# KiCad board beaglebone-ai.kicad_pcb (continued)
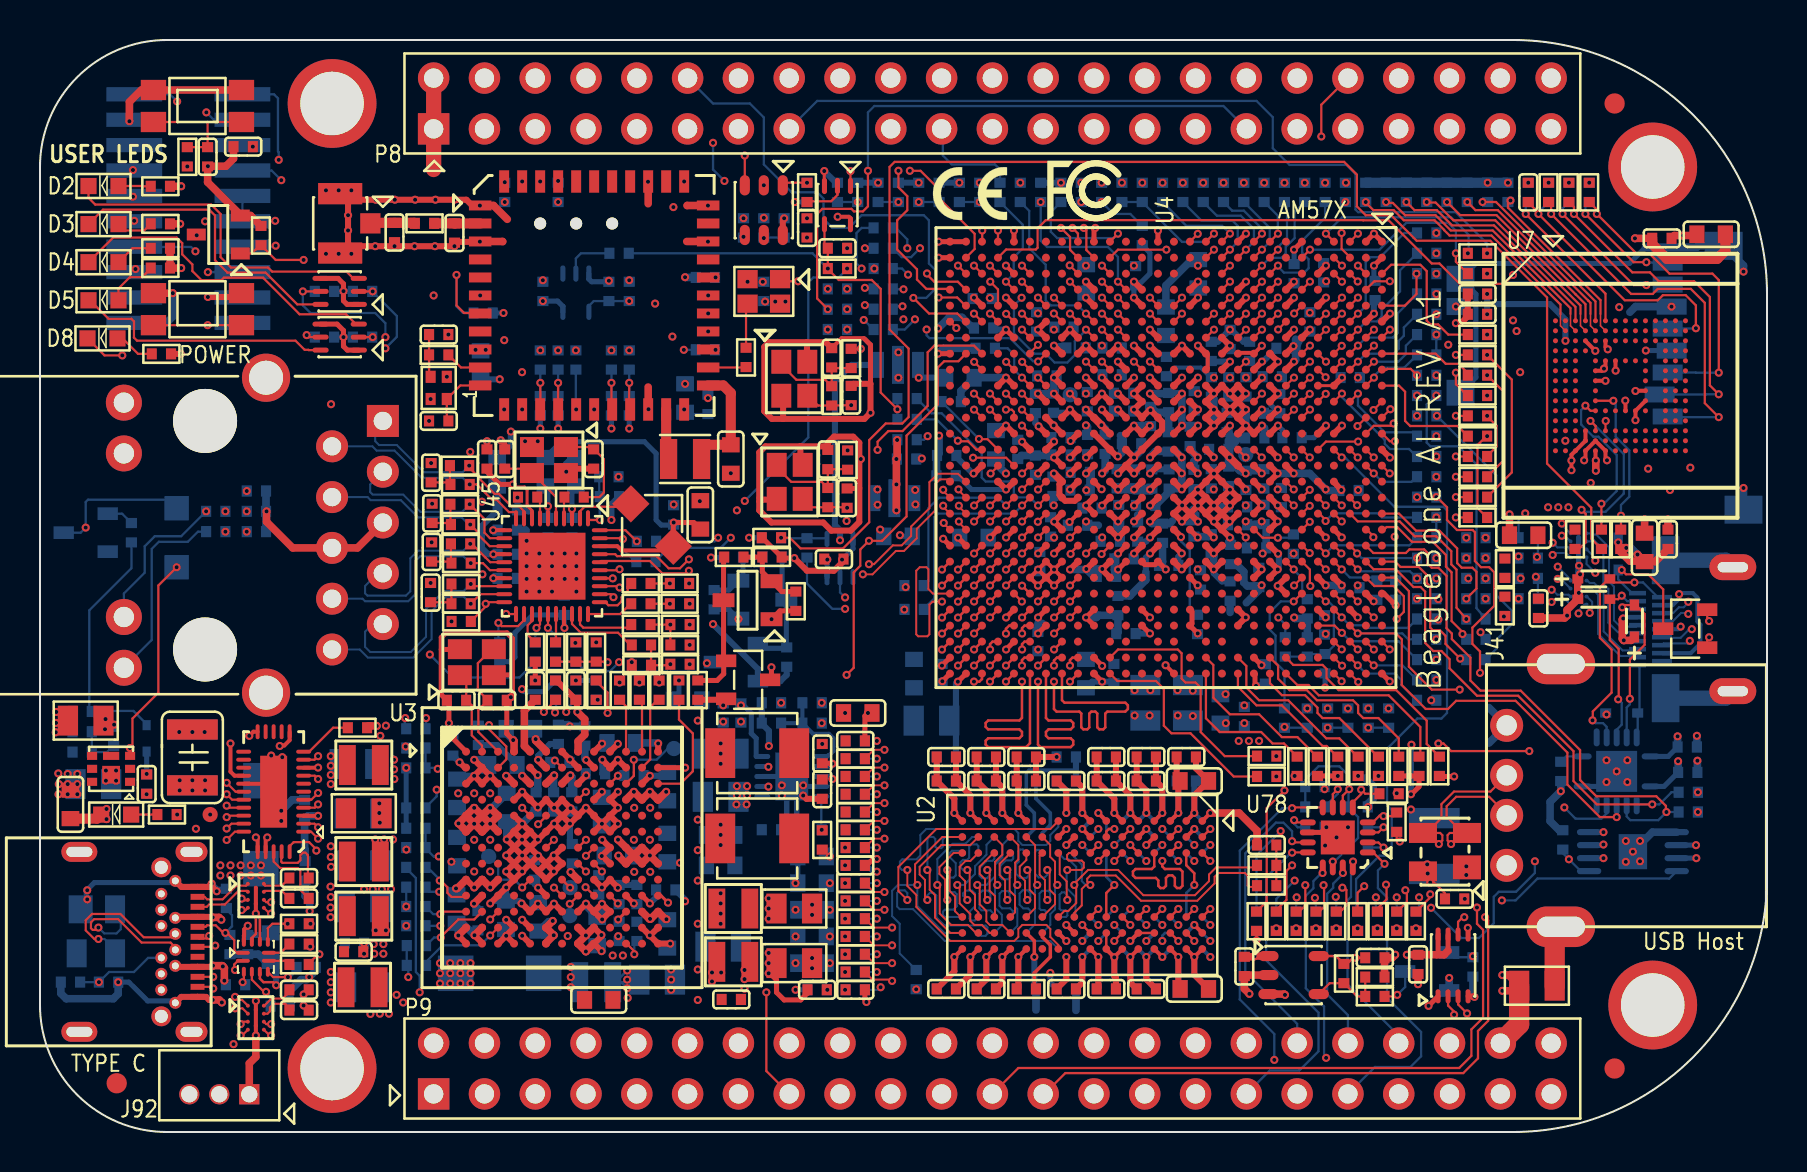
[diagram p0: board, top side]
## Nets (continued)
Net-(R103-Pad2): R103.2 U3.N11
Net-(R104-Pad2): R104.2 U3.C10
Net-(R107-Pad2): R107.2 U3.K10
Net-(R108-Pad2): R108.2 U3.A11
Net-(R113-Pad2): R113.2 U3.H9
Net-(R119-Pad1): R119.1 U4.AB10
Net-(R121-Pad2): R121.2 U3.D8
Net-(R130-Pad2): R130.2 U3.B3
Net-(R145-Pad2): R145.2 U3.L2
Net-(R146-Pad2): R146.2 U3.M3
Net-(R147-Pad2): R147.2 U3.L3
Net-(R148-Pad2): R148.2 U3.L1
Net-(R149-Pad2): R149.2 U3.H8
Net-(R150-Pad2): R150.2 R151.2 U3.K7
Net-(R152-Pad1): R152.1 U3.K1
Net-(R155-Pad2): R155.2 R156.2 U3.G9
Net-(R157-Pad2): R157.2 U3.K9
Net-(R159-Pad2): R159.2 U3.E6
Net-(R174-Pad1): R174.1 R182.1 U4.D21
Net-(R183-Pad1): R183.1 U7.A6
Net-(R199-Pad1): R199.1 U4.E18
Net-(R200-Pad1): R200.1 U4.E20
Net-(R201-Pad1): R201.1 U7.J5
Net-(R202-Pad2): R202.2 U4.J7
Net-(R537-Pad1): R537.1 U72.11
Net-(R540-Pad1): R540.1 U22.3
Net-(R542-Pad2): R542.2 U22.8
Net-(R543-Pad2): R543.2 U22.7
Net-(R566-Pad2): R566.2 U78.7
Net-(R571-Pad1): R571.1 U78.9
Net-(R572-Pad2): R572.2 U78.3
Net-(R581-Pad2): R581.2 U4.C27
Net-(R582-Pad2): R582.2 U4.E25
Net-(R583-Pad2): R583.2 U4.W6
Net-(R584-Pad2): R584.2 U4.D18
Net-(R585-Pad2): R585.2 U4.AD4
Net-(R589-Pad2): R589.2 U3.G8
Net-(R607-Pad1): R607.1 U4.A18
Net-(R609-Pad1): R609.1 U4.B15
Net-(R610-Pad1): R610.1 U37.25
Net-(R656-Pad1): R656.1 R657.2 R658.1 U40.4
Net-(R660-Pad1): R660.1 U45.24
Net-(R661-Pad1): R661.1 U37.29
Net-(R670-Pad1): R670.1 U4.V27
Net-(R671-Pad2): R671.2 U4.V28
Net-(R672-Pad2): R672.2 U4.G27
Net-(R673-Pad2): R673.2 U4.H28
Net-(R674-Pad2): R674.2 U4.K28
Net-(R675-Pad2): R675.2 U4.M27
Net-(R676-Pad1): R676.1 U4.G28
Net-(R677-Pad1): R677.1 U4.H27
Net-(R678-Pad1): R678.1 U4.K27
Net-(R679-Pad1): R679.1 U4.M28
Net-(R704-Pad2): R704.2 U12.8
Net-(R706-Pad2): R706.2 U78.4
Net-(R707-Pad2): R707.2 U78.5
Net-(TP2-Pad1): TP2.1 U3.C11
Net-(TP3-Pad1): TP3.1 U3.K8
Net-(TP4-Pad1): TP4.1 U4.Y11
Net-(TP7-Pad1): TP7.1 U3.J5
Net-(TP8-Pad1): TP8.1 U4.K14
Net-(TP10-Pad1): TP10.1 U72.8
Net-(TP11-Pad1): TP11.1 U3.J7

Pads without a net: D78 4; ID1 1; ID2 1; ID3 1; J42 A8 B8; J91 2; P2 6 17 18 19; U2 J1 J9 L1 L9; U3 B4 C9 F8 K4 K5 L4 M11 N12; U4 A4 A16 A17 A20 A24 A25 A27 AA1 AA2 AA3 AA4 AB1 AB2 AB3 AB4 AB9 AC1 AC2 AC5 AD2 AD8 AD14 AE8 AE9 AF2 AF4 AG7 AG9 AG10 AG11 AG12 AG13 AG14 AG15 AH3 AH5 AH7 AH9 AH10 AH11 AH12 AH13 AH14 AH15 B2 B5 B11 B16 B17 B18 B25 B28 C4 C12 C15 D12 D15 E1 E2 E4 E12 E15 E26 E27 E28 F3 F6 F13 F15 F16 F24 F25 F26 F27 F28 G1 G2 G13 G19 G20 G24 G25 G26 H7 H23 H24 H25 H26 J20 J23 J24 J25 J26 K20 K21 K22 K23 L22 L23 L24 L25 L26 L27 L28 M3 M4 M5 M22 M23 M24 M25 M26 N2 N6 N7 N9 N20 N23 N27 N28 P1 P2 P3 P4 P7 P9 P22 P23 P24 P25 P26 P27 R2 R3 R4 R22 R23 R24 R25 R26 R27 R28 T1 T2 T6 T7 T22 T23 T27 T28 U1 U2 U3 U22 U23 U24 U25 U26 U27 U28 V23 V24 V25 V26 W19 W22 W23 Y5 Y9 Y10 Y25 Y26; U7 A1 A2 A7 A8 A9 A10 A11 A12 A13 A14 B1 B7 B8 B9 B10 B11 B12 B13 B14 C1 C3 C5 C7 C8 C9 C10 C11 C12 C13 C14 D1 D2 D3 D4 D12 D13 D14 E1 E2 E3 E5 E8 E9 E10 E12 E13 E14 F1 F2 F3 F10 F12 F13 F14 G1 G2 G3 G10 G12 G13 G14 H1 H2 H3 H5 H12 H13 H14 J1 J2 J3 J12 J13 J14 K1 K2 K3 K6 K7 K10 K12 K13 K14 L1 L2 L3 L12 L13 L14 M1 M2 M3 M7 M8 M9 M10 M11 M12 M13 M14 N1 N3 N6 N7 N8 N9 N10 N11 N12 N13 N14 P1 P2 P7 P8 P9 P10 P11 P12 P13 P14; U8 1; U11 J1 J9 L1 L9; U12 6 9; U37 4 5 8 30 32 35 37 38 39 40; U72 6 7 13 14 15 17 18 19; U90 1

## Via types
v1: diameter 0.406, hole 0.203, TOP to BOTTOM, 1788 vias

## Routing (per net, layer and track width the routed paths; a pad name or vN(x,y) marks a point on that pad's centre or on a via; arc(x,y) is an arc through that point)
1V8_PHY_HDMI: length 4.5
  TOP w0.305: U4.W14 v1(52.31,33.73) ; U4.AA16 50.98,32.4 50.98,31.86 51.1,31.73 U4.AA17 51.26,31.56 51.74,31.56 U4.Y17
  TOP w0.381: U4.AA16 v1(50.7,32.93)
  BOTTOM w0.254: FB6.2 43.06,29.79 v1(43,29.85)
  BOTTOM w0.381: v1(48.3,32.93) 47.8,33.43 C116.1
1V8_PHY_LDO3: length 34.3
  TOP w0.254: U3.K11 v1(29.7,11.43)
  INT_L3 w0.305: v1(40,29.59) 38.66,29.59 38.25,29.18 38.25,28.35 37.11,27.2 37.11,24.54 35.94,23.37 35.94,20.62 35.33,20.02 35.33,18.82 31.37,14.86 31.37,13.1 v1(29.7,11.43)
  BOTTOM w0.305: v1(40,29.59) 40,30.1 39.75,30.35 39.75,37.53 40.58,38.36 FL1.1
1V8_PHY_LDO4: length 27.5
  TOP w0.254: U3.K12 v1(30.5,11.43)
  INT_L3 w0.305: v1(30.5,11.43) 32.05,12.98 32.51,12.98 32.99,13.46 33.99,13.46 35.94,15.42 35.94,19.84 36.47,20.37 36.47,22.23 37.8,23.55 37.8,27 38.76,27.97 38.76,28.8 39.07,29.11 40.39,29.11 40.67,29.39 40.67,29.79 41,30.12 v1(42.01,30.12)
  BOTTOM w0.305: v1(42.01,30.12) 42.01,29.97 FB6.1 ; C117.1 30.81,11.74 v1(30.5,11.43)
1V8_PHY_SATA: length 5.4
  TOP w0.305: U4.W12 v1(52.3,36.13) ; U4.AB12 v1(50.69,35.34) U4.AA13 ; v1(53.08,35.35) U4.V13
  TOP w0.381: U4.W12 v1(53.08,35.35)
  BOTTOM w0.305: FL1.3 43.94,38.36 v1(43.94,37.72) 43.95,37.73 45.28,37.73 C37.1
  BOTTOM w0.381: C184.1 53.26,35.17 v1(53.08,35.35)
1V8_PLL: length 32.4
  TOP w0.305: U3.B5 24.88,17.85 v1(24.89,17.85) ; U4.AE16 47.91,32.53 v1(48.31,32.13) U4.AD16
  INT_L3 w0.33: v1(41.88,31.37) 41.43,31.83 38.4,31.83 33.08,26.5 33.08,25.2 32.73,24.84 31.89,24.84 31.13,24.08 28.3,24.08 27.91,23.7 27.91,22.96 26.86,21.91 24.89,21.91 24.28,21.3 24.28,18.45 v1(24.89,17.85)
  BOTTOM w0.254: v1(48.31,32.13) 46.58,32.13 45.9,32.82 C123.1
  BOTTOM w0.381: v1(24.89,17.85) 24.89,17.07 C157.1
  vias: v1(41.88,32.13)
1V8_PLLA: length 10.8
  TOP w0.305: U4.M14 v1(58.69,33.73) ; U4.N11 57.5,36.52 v1(57.9,36.13) U4.N12 ; U4.P15 v1(57.09,32.93) ; U4.N16 57.48,32.53 v1(57.09,32.13) U4.P16 ; U4.R14 v1(55.51,33.73) ; U4.R17 v1(55.51,31.33) ; U4.P14 v1(57.09,33.73)
  BOTTOM w0.305: v1(58.69,33.73) 58.46,33.97 C216.1
  BOTTOM w0.381: C189.1 56.46,32.02 C202.1 57.05,32.17 v1(57.09,32.13) v1(57.09,32.93) v1(57.09,33.73) 56.8,34.03 C199.1 56.41,34.04 55.78,34.04 55.51,33.77 v1(55.51,33.73)
  vias: v1(43.76,32.11) v1(43.78,31.38)
1V8_RTC: length 17.5
  TOP w0.305: R27.1 25.83,22.58 C38.1 26.85,21.56 26.85,21.03 v1(26.87,21.01)
  TOP w0.381: v1(26.87,21.01) 27.24,20.64 27.24,19.87 26.91,19.54 U3.A8
  SIG_L8 w0.254: v1(18.31,18.21) 19.16,18.21 20.23,19.28 22.05,19.28 24.23,21.46 26.54,21.46 26.87,21.13 v1(26.87,21.01)
  BOTTOM w0.254: R150.1 R157.1 v1(18.31,18.21)
3V3_AVDD_MII0: length 5
  TOP w0.203: v1(22.67,28.89) 22.61,28.89 22.61,28.9 U45.14
  BOTTOM w0.203: C347.1 v1(22.67,28.89)
  BOTTOM w0.305: v1(22.67,28.89) 22.42,28.89 22.1,29.21 22.1,30.3 22.89,31.09 C346.1 22.89,32.28 FB2.2
3V3_SD: length 9
  TOP w0.305: U4.Y8 v1(52.3,39.33) U4.W8
  TOP w0.381: v1(25.71,17.84) 25.71,17.83 U3.C6
  BOTTOM w0.254: R8.1 v1(33.55,28.73)
  BOTTOM w0.305: R9.1 37.34,22.86 37.02,22.54 Q1.2 35.9,23.16 v1(33.66,25.4)
  BOTTOM w0.381: v1(25.71,17.84) 25.69,17.81 C151.1
  vias: v1(40.36,42.16) v1(75.44,47.47) v1(76.45,47.47) v1(77.47,47.47)
3V3_USB: length 23.5
  TOP w0.305: U4.AA12 v1(51.5,36.13) U4.Y12 ; U3.B9 27.32,18.61 v1(27.31,18.61)
  INT_L3 w0.508: v1(40.34,30.56) 38.73,30.56 35.94,27.76 35.94,24.89 31.29,20.24 28.12,20.24 27.31,19.44 v1(27.31,18.61)
  BOTTOM w0.305: C148.1 51.34,35.97 v1(51.5,36.13)
  BOTTOM w0.381: C134.1 27.25,18.67 v1(27.31,18.61)
GND_OSC0: length 28.8
  TOP w0.254: 40.97,32.19 40.96,32.18 C13.2
  TOP w0.305: 36.04,31.62 35.97,31.7 35.97,33.99 36.27,34.29 38.02,34.29 ; 36.04,31.62 36.8,31.62 X7.2 ; 36.04,31.62 35.97,31.55 35.97,31.09 36.58,30.48 39.17,30.48 39.57,30.07 40.54,30.07 40.97,30.51 40.97,33.66 ; 38.02,34.29 39.27,34.29 39.4,34.16 ; 38.02,34.29 38.02,33.4 38.07,33.36 X7.4 ; 39.4,34.16 39.4,34.47 39.7,34.77 40.67,34.77 40.97,34.47 40.97,33.66 ; 39.4,34.16 C14.2 ; 40.97,33.66 v1(41.05,33.66) ; v1(46.69,32.93) 46.71,32.93 47.1,33.33 U4.AF15
  INT_L3 w0.254: v1(46.69,32.93) 46.12,32.93 45.67,33.38 44.45,33.38 44.27,33.2 41.5,33.2 v1(41.05,33.66)
  BOTTOM w0.305: v1(46.69,32.93) 46.65,32.93 45.82,33.76 R7.2
GND_OSC1: length 30.3
  TOP w0.203: 41.25,39.65 41.2,39.7 40.09,39.7 C16.2
  TOP w0.254: 41.25,39.65 41.53,39.37 41.53,37.41
  TOP w0.305: X8.2 37.16,36.73 37.16,35.66 ; C15.2 40.67,37.41 41.53,37.41 v1(41.53,35.97) 41.22,35.66 37.16,35.66 ; 38.35,39.5 36.45,39.5 36.22,39.27 36.22,36.04 36.6,35.66 37.16,35.66 ; 38.35,39.5 39.29,39.5 C16.2 ; 38.35,39.5 38.35,38.53 X8.4 ; U4.AC14 v1(49.11,34.52)
  SIG_L5 w0.254: v1(41.53,35.97) 42.13,35.37 46.93,35.37 47.78,34.52 v1(49.11,34.52)
  BOTTOM w0.381: R10.2 49.01,34.62 v1(49.11,34.52)
GNDPWR: length 60.1
  TOP w0.127: 1.12,20.57 R640.2 ; 1.12,20.57 1.12,20.7 v1(0.81,21.01) ; 1.12,20.57 0.91,20.57 v1(0.8,20.46)
  TOP w1.016: R699.1 75.74,9.95 J41.5
  GND_L2 w0.762: 12.47,53.62 14.61,51.49 MH2.1 14.68,51.43 16.89,53.64 ; 12.32,0.89 MH4.1 16.89,0.89
  GND_L11 w0.762: 12.07,53.67 14.3,51.43 MH2.1 14.73,51.43 16.92,53.62 ; 16.89,0.89 MH4.1 12.32,0.89
  BOTTOM w0.254: 80.29,44.25 79.48,43.43 71.8,43.43 J90.13 71.81,41.9 71.81,37.74 J90.12
  BOTTOM w0.381: v1(85.18,43.03) 85.18,43.33 J90.11 82.93,44.32 82.86,44.25 80.29,44.25 ; J90.10 v1(85.18,32.21)
  BOTTOM w0.762: J91.21 84.3,28.6 J91.23 ; J91.22 84.3,21.7 J91.20
  vias: v1(0.79,19.99)
VDD_1V8: length 23.3
  TOP w0.203: U4.M8 58.39,38.83 58.39,38.22 U4.M9
  TOP w0.254: v1(36.58,25.64) 37,26.06 R91.1 ; v1(36.58,23.24) 36.58,22.61 Q4.3
  TOP w0.305: v1(52.32,28.15) 52.32,28.14 U4.W21 ; v1(49.94,35.29) 49.94,35.29 U4.AB13 ; U4.T8 v1(54.7,39.33) ; U4.P20 v1(57.09,28.93) ; U4.M8 v1(57.9,39.33) ; U4.H17 v1(61.89,31.33) U4.G18 ; U4.AA18 50.72,30.54 v1(50.72,30.52) 51.1,30.13 U4.AA19 ; v1(53.12,28.15) 53.12,28.14 ; 53.12,28.14 U4.V21 ; 53.12,28.14 53.12,28.11 U4.V22 ; U4.P8 v1(57.1,39.33) U4.N8 ; U4.J21 60.7,28.52 61.09,28.14 v1(61.09,28.13) 61.09,28.11 U4.J22 ; U4.N21 57.48,28.52 v1(57.09,28.13) U4.P21 ; U4.Y21 v1(51.51,28.13) ; U4.Y7 v1(51.5,40.13) U4.AA7 ; U4.W18 52.7,30.93 v1(52.31,31.33) U4.W17 ; U4.R8 v1(55.5,39.33)
  TOP w0.381: U3.B6 v1(24.91,18.61)
  BOTTOM w0.254: v1(34.92,25.65) 34.44,26.14 R17.1
  BOTTOM w0.305: C152.1 25.5,19.4 24.91,18.81 v1(24.91,18.61) ; C146.1 50.53,30.7 v1(50.72,30.52) ; C201.1 56.92,28.76 v1(57.09,28.93) ; v1(49.94,35.29) 49.78,35.45 C136.1
  BOTTOM w0.381: C174.1 52.69,27.78 v1(52.32,28.15) ; v1(51.51,28.13) 52.3,28.13 v1(52.32,28.15) ; v1(52.32,28.15) v1(53.12,28.15)
  vias: v1(33.35,23.44) v1(73.2,25.78)
VDD_3V3: length 106.2
  TOP w0.152: U4.E10 U4.D10 ; v1(26.6,31.16) 26.6,31.15 26.61,31.15 26.61,30.69 U45.3
  TOP w0.203: U7.E6 78.28,38.25 v1(78.21,38.18) 78.1,38.07 U7.F5 ; v1(9.53,19.43) 9.53,18.02 9.73,17.82 U72.20 ; v1(79.78,35.6) U7.K9 U7.J10 ; v1(11.37,14.73) 11.28,14.73 U72.29 ; v1(10.46,19.81) 10.67,20.02 U72.16 ; v1(39.89,45.77) 40.45,45.77 40.53,45.69 U6.5 ; v1(11.99,19.3) 12.01,19.33 12.22,19.33 12.48,19.6 U72.12 ; U72.3 13.18,15.81 v1(13.91,15.81) ; U72.9 13.91,18.22 v1(13.91,18.22)
  TOP w0.254: U46.8 69.91,8.93 69.85,8.86 ; U4.AD7 v1(48.3,40.13) U4.AE7 ; 70.41,9.06 U46.7 ; R54.1 36.12,29.72 R87.1 37.08,28.7 v1(37.72,28.7)
  TOP w0.305: v1(66.69,26.54) 66.69,26.54 U4.B23 ; 34.27,21.62 Q4.2 ; 34.27,21.62 34.16,21.51 v1(34.16,21.34) ; 34.27,21.62 R85.1 ; U4.G15 v1(62.69,32.93) ; U4.E16 v1(64.29,32.13) ; U4.AB7 v1(49.9,40.13) 49.9,40.13 U4.AB6 ; U4.E22 v1(64.29,27.33) ; U4.T4 v1(54.7,42.53) ; U4.AF5 v1(46.7,41.73) ; U4.T5 v1(54.7,41.73) ; U4.V12 v1(53.1,36.13) ; U4.D16 65.05,32.11 v1(65.07,32.11) ; R701.1 v1(7.04,38.91) ; U4.H10 61.5,37.32 v1(61.9,36.93) U4.H11 ; U4.D10 v1(65.1,37.73) ; U4.AD5 v1(48.3,41.73) ; U4.D22 v1(65.09,27.33) ; U4.H15 v1(61.89,32.93) 61.5,32.54 U4.H16 ; U4.H18 v1(61.89,30.53) 61.5,30.14 U4.H19 ; v1(40.11,28.63) 40.11,28.47 39.7,28.07 38.35,28.07 v1(37.72,28.7) ; U4.E3 v1(64.3,43.33) ; U4.G4 v1(62.7,42.53) ; U4.R7 v1(55.5,40.13) ; U4.G5 v1(62.7,41.73) ; U4.N5 v1(57.9,41.73) ; U4.N4 v1(57.9,42.53) ; v1(37.21,45.69) 37.15,45.63 U10.6 ; U4.H8 61.5,38.92 v1(61.9,38.53) U4.H9 ; U3.D9 v1(28.1,17.01) ; U4.U10 v1(54.7,37.73) ; U4.W5 v1(52.3,41.73) ; U4.R10 v1(55.5,37.73) ; U4.C24 v1(65.89,25.73) ; U4.W4 v1(52.3,42.53) ; U4.P10 v1(57.1,37.73) ; U4.B6 v1(66.7,40.93) ; U4.E5 v1(64.3,41.73)
  TOP w0.381: R593.1 v1(7.06,47.29) ; C286.1 v1(81.41,30.63) ; C325.1 81.72,44.83 v1(82.17,44.83) 82.79,44.83 C300.1 ; U40.3 62.21,6.9 v1(62.26,6.86) ; R592.1 v1(7.01,45.42) ; R591.1 R590.1 v1(7.06,43.21) ; 70.41,9.06 70.21,8.86 C353.2 v1(68.35,8.86) ; C278.1 v1(80.24,30.63) ; U3.J8 26.57,12.95 26.57,12.95 26.53,12.99 v1(26.53,13)
  PWR_L6 w0.381: 21.37,5.3 P9.4 ; P9.4 23.08,3.59 ; P9.4 21.37,3.59 ; P9.4 23.08,5.3 ; 81.31,43.94 82.17,44.81 v1(82.17,44.83) ; v1(7.04,38.91) 7.04,40.31
  PWR_L6 w1.016: P9.4 P9.3
  BOTTOM w0.127: R3.1 35.18,21.34 ; FB5.1 v1(64.24,17.14) ; 29.06,7.49 v1(29.36,7.19) ; 29.06,7.49 29.24,7.49 v1(29.36,7.62) ; 29.06,7.49 28.78,7.49 ; v1(29.36,8.08) 28.78,7.49 ; 28.78,7.49 L22.2 ; R611.2 v1(33.4,36.7)
  BOTTOM w0.254: U8.5 40.66,29.17 v1(40.11,28.63) ; v1(25.15,41.55) 25.88,41.55 26.15,41.29 U90.5 ; R565.1 v1(29.46,35.18) ; R338.1 v1(23.18,40.96) ; R564.1 v1(28.58,35.18) ; J90.4 v1(80.3,39.08) ; v1(54.7,41.73) 54.7,42.25 C186.1 54.91,42.34 55.5,42.93 55.5,43.97 R689.1 ; R124.2 25.76,22.58 25.2,22.02 24.23,22.02 v1(24.1,22.15) ; C498.1 81.22,17.28 U12.1 ; R562.1 v1(25.91,35.18) ; U1.10 35.83,18.78 35.81,18.8 35.81,19.69 35.57,19.93 35.57,20.95 35.18,21.34 v1(35.05,21.34) ; R82.2 v1(37.74,46.51) ; R561.1 v1(25.02,35.18) ; C345.1 26.61,31.15 26.6,31.15 v1(26.6,31.16) 26.6,32.11 C344.1
  BOTTOM w0.305: C161.1 52.3,41.97 v1(52.3,42.53) ; C272.1 66.7,41.54 66.7,40.93 v1(66.7,40.93) ; R455.1 28.58,31.39 v1(28.58,30.61) ; C145.1 26.53,13.35 v1(26.53,13) ; C125.1 47.75,40.13 48.3,40.13 v1(48.3,40.13) ; R692.1 v1(41.91,47.47) ; v1(23.55,35.03) 23.55,34.35 22.92,33.73 FB2.1 ; R134.2 v1(51.05,47.47) ; R693.1 v1(45.97,47.47)
  BOTTOM w0.381: v1(62.71,25.73) 62.76,25.68 R192.2 R169.1 ; C270.1 64.9,27.33 v1(64.29,27.33) ; R704.1 v1(76.05,17.04) 75.51,16.51 75.51,15.54 75.97,15.09 R516.2 ; v1(61.89,32.93) v1(62.69,32.93) 63.49,32.93 v1(64.29,32.13) 64.35,32.08 C269.1 ; R541.1 12.5,7.06 13.06,7.62 13.34,7.62 v1(13.46,7.75) 13.79,8.08 R545.1 ; C439.1 13.26,14.11 13.23,14.14 C440.1 13.4,15.81 v1(13.91,15.81) ; C498.1 v1(81.92,18.54)
  vias: v1(6.86,15.88) v1(10.64,49.28) v1(13.53,10.41) v1(18.29,19.28) v1(20.58,25.53) v1(21.78,39.12) v1(22.29,39.12) v1(23.24,46.51) v1(26.8,39.09) v1(26.77,24.46) v1(29.39,6.71) v1(32.46,27.43) v1(32.49,24.36) v1(32.49,23.39) v1(32.89,20.57) v1(36.26,41.53) v1(36.77,41.53) v1(37.27,41.53) v1(38.35,44.73) v1(54.1,47.47) v1(56.13,47.47) v1(64.26,47.47) v1(69.82,28.7) v1(69.82,27.69) v1(69.82,24.64) v1(69.82,22.61) v1(69.93,25.63) v1(72.29,29.72) v1(82.91,16.99) v1(82.91,16)
VDD_5V: length 56.7
  TOP w0.203: v1(10.39,10.31) 10.21,10.13 10.21,9.83 10.2,9.81 U22.12
  TOP w0.305: U3.J1 21.32,12.62 v1(21.71,12.23) ; U3.N4 v1(23.31,9.81) 22.92,9.42 U3.N3 ; v1(28.08,9.05) U3.N9 28.08,9.79 v1(28.08,9.85) U3.M9 ; U3.A9 v1(28.11,19.42) ; U3.A10 v1(28.9,19.41) ; v1(23.31,10.61) U3.M4 23.31,9.83
  TOP w0.381: v1(27.3,9.83) 27.69,10.22 U3.M9 ; v1(27.3,9.83) 26.91,9.44 U3.N8 v1(27.3,9.03) 27.69,9.42 U3.N9 ; v1(27.3,9.83) U3.M8 ; v1(21.71,12.23) U3.J2 22.12,12.62 v1(22.51,12.23) U3.J3 ; 29.7,13.83 29.31,13.43 U3.H11 28.92,13.8 v1(28.92,13.82) ; 29.7,13.83 U3.G11 v1(28.9,14.62) ; 29.7,13.83 U3.H12 30.11,13.43 v1(30.5,13.83) ; 29.7,13.83 30.09,14.22 U3.G12 v1(30.5,13.83) ; v1(22.51,15.41) 22.51,15.43 U3.E3 v1(22.51,16.21) 22.5,16.21 U3.E2 ; v1(22.51,15.41) U3.F3 ; v1(22.51,15.41) U3.E2 ; v1(22.51,15.41) 22.12,15.02 U3.F2 v1(21.71,15.41) ; U3.E2 v1(21.71,16.21) 21.7,16.21 U3.E1 ; U3.E2 21.71,15.43 v1(21.71,15.41) ; U3.C7 26.48,17.8 26.48,17.8 v1(26.52,17.84) ; U3.E1 21.31,15.81 v1(20.93,15.43) 21.31,15.06 U3.F1 21.7,15.41 v1(21.71,15.41) ; U3.E1 v1(21.71,15.41) ; U3.H13 v1(30.5,13.83) ; v1(30.5,13.83) 30.89,14.22 U3.G13 ; U3.C5 v1(24.11,17.81) ; U3.D11 v1(29.7,17.01) 30.09,16.62 U3.D12 v1(30.5,17.01) 30.89,16.62 U3.D13 30.92,16.62 v1(31.31,17.01) ; U3.N6 25.31,9.45 v1(25.69,9.84) 25.31,10.22 U3.M6 v1(25.64,10.56) ; U3.J1 20.87,12.18 v1(20.8,12.18) ; U3.C4 v1(23.31,17.81) ; U3.A6 25.31,19.05 24.79,19.57 v1(24.79,19.65) ; U40.1 v1(60.73,8.8) 60.7,8.76 C489.2 ; v1(31.33,10.64) 31.29,10.64 U3.L13 30.54,10.66 v1(30.51,10.66) 30.47,10.66 U3.L12
  SIG_L5 w1.016: P9.7 P9.8
  PWR_L7 w0.635: 26.45,5.3 P9.8 ; P9.8 28.16,3.59 ; P9.8 26.45,3.59 ; P9.8 28.16,5.3 ; 28.16,2.76 P9.7 26.45,2.76
  BOTTOM w0.127: C441.1 v1(10.39,10.31)
  BOTTOM w0.254: U48.3 v1(82.82,13.7) ; C497.1 81.42,18.78 U12.14 ; U48.2 v1(82.81,14.35)
  BOTTOM w0.305: v1(25.64,10.56) 25.42,10.56 C156.1 25.12,9.84 v1(25.69,9.84) ; C172.1 22.87,19.35 22.23,19.35 R130.1 ; C442.1 11.43,9.86 C441.1
  BOTTOM w0.381: v1(26.52,17.84) 26.59,17.76 C139.1 ; v1(22.51,16.21) 22.61,16.21 C169.1 ; C497.1 v1(81.89,19.79)
  vias: v1(9.02,13.34) v1(9.02,12.83) v1(9.53,13.34) v1(9.53,12.83) v1(10.03,13.34) v1(10.03,12.83) v1(10.54,13.34) v1(10.54,12.83) v1(11.05,13.34) v1(11.05,12.83) v1(20,8.45) v1(20,7.94) v1(20,7.43) v1(20.51,8.45) v1(20.51,7.94) v1(20.51,7.43) v1(21.02,8.45) v1(21.02,7.94) v1(21.02,7.43) v1(21.53,8.45) v1(21.53,7.94) v1(21.53,7.43) v1(28.98,22.48)
VDD_ADC: length 12.8
  TOP w0.127: U40.5 64.81,8.8 R656.2 65.35,8.41 65.66,8.71 v1(65.79,8.71) C490.1
  SIG_L5 w0.127: v1(65.79,8.71) 64.34,7.26 64.34,6.63 63.04,5.33 58.62,5.33 57.78,4.5 P9.32
VDD_ADC_SEL: length 81.5
  TOP w0.203: U4.AD3 v1(48.3,43.33)
  SIG_L5 w0.127: v1(48.3,43.33) 49.43,44.45 54.1,44.45 54.47,44.82 54.47,48.37 55.5,49.4 76.15,49.4 78.36,47.19 78.36,45.64 77.72,45.01 75.79,45.01 75.03,44.25 75.03,30.73 75.26,30.51 75.26,27.5 74.95,27.19 74.95,25.32 73.33,23.7 73.33,22.71 75.18,20.85 75.18,12.75 71.65,9.22 v1(71.65,8.79)
  BOTTOM w0.127: Q17.1 70.71,8.74 R659.1 v1(71.65,8.79)
VDD_CAPE_5V: length 77.7
  TOP w0.114: 83.42,24.7 83.37,24.65 Q19.1
  TOP w0.152: 83.42,24.7 v1(83.46,24.74)
  SIG_L10 w0.152: v1(83.46,24.74) 83.46,24.43 80.9,21.87 80.9,17.86 81.86,16.89 81.86,12.4 76.79,7.32 76.79,4.05 75.9,3.15 26.06,3.15 P9.6
VDD_CORE: length 23.3
  TOP w0.305: U4.R11 v1(55.5,36.93) ; U4.T19 v1(54.71,29.73) ; U4.AB15 v1(49.91,32.93) ; U4.R16 v1(55.51,32.13) ; U4.U13 v1(54.7,35.33) U4.T13 v1(55.5,35.32) ; U4.V16 53.51,32.53 v1(53.91,32.13) U4.U16 ; U4.L8 v1(59.5,39.33) 59.1,39.72 U4.L7 ; U4.U9 v1(53.9,38.53) ; U4.U8 v1(53.9,39.33) U4.V8 ; U4.P11 v1(57.1,36.93) ; U4.N10 v1(57.9,37.73) ; U4.H13 v1(61.9,35.33) ; U4.R19 v1(55.51,29.73) ; U4.J17 v1(61.09,31.33) 60.7,30.94 U4.J18 ; U4.P12 v1(57.1,36.13) ; v1(20.98,18.49) 21.25,18.22 U3.B1 ; U4.P13 v1(57.1,35.33) ; U4.N13 v1(57.9,35.33) ; U4.H14 v1(61.89,33.73) ; U4.T16 v1(54.71,32.13)
  BOTTOM w0.127: v1(49.91,32.93) 49.85,32.87 C138.1 49.73,32.87
  BOTTOM w0.254: C242.1 62.13,35.1 v1(61.9,35.33)
  BOTTOM w0.305: C258.1 v1(20.98,18.49) ; C187.1 55.3,29.52 v1(55.51,29.73) ; v1(57.1,36.93) 57.07,36.96 C200.1 ; v1(57.1,35.33) 57.46,35.33 C203.1 57.85,35.27 v1(57.9,35.33)
  BOTTOM w0.381: v1(55.5,36.93) 56.4,36.93 C200.1 ; v1(57.1,35.33) v1(57.1,36.13) v1(57.1,36.93) ; C190.1 55.51,35.33 v1(54.7,35.33)
  BOTTOM w0.508: C178.1 54.72,32.18 C185.1 ; C193.1 55.55,32.13 v1(55.51,32.13) v1(54.71,32.13)
  vias: v1(14.54,18.8) v1(14.54,18.31) v1(14.54,17.86) v1(14.54,17.4)
VDD_DDR: length 115.5
  TOP w0.127: v1(53.72,12.35) 53.32,11.95 U2.G7
  TOP w0.152: U3.K13 31.05,11.82 v1(31.4,11.47)
  TOP w0.203: v1(49.91,28.13) U4.AB21 50.31,28.52 v1(50.71,28.13) ; v1(49.91,28.13) 50.3,27.73 U4.AB22 ; v1(49.91,28.13) U4.AC22 v1(49.9,27.32) U4.AB22 ; U2.N1 v1(48.12,15.95) ; U2.K2 v1(51.32,15.15) ; U2.F1 v1(53.72,15.95) ; U2.H2 v1(52.12,15.15) ; U4.AB22 50.7,27.33 v1(50.71,27.33) U4.AA22 51.1,27.73 v1(50.71,28.13) ; U4.AB22 v1(50.71,28.13) ; U2.R1 v1(46.52,15.95) ; U2.D2 v1(55.32,14.35) ; U2.C9 v1(56.92,8.75) ; U2.H9 v1(52.92,8.75) ; U2.B2 v1(57.72,15.15) ; U2.C1 v1(56.92,15.95) ; U2.K8 v1(51.32,9.55) ; U2.R9 v1(46.52,8.75) ; v1(50.71,28.13) U4.AA21 ; U2.N9 v1(48.12,8.75) ; U2.D9 v1(56.12,8.75) ; U2.A1 v1(58.52,15.95) ; U2.A8 v1(57.72,10.35) ; U2.E9 v1(54.52,8.75)
  TOP w0.254: R675.1 v1(64.9,17.81) ; U4.AB24 v1(49.91,25.73) ; U4.J27 v1(61.08,23.34) ; R672.1 70,17.78 v1(70.71,17.78) ; v1(36.44,7.94) 36.58,7.94 36.58,7.86 36.83,7.61 36.83,6.98 37.21,6.6 38.04,6.6 38.38,6.95 C60.1 ; U4.W16 v1(53.09,32.14) ; v1(41.4,20.96) 41.25,20.8 C225.1 ; U4.AH27 v1(45.1,23.32) ; U4.AG28 v1(45.9,22.52) ; v1(39.62,18.41) 39.62,18.44 C5.1 ; C61.1 41.34,13.34 41.66,13.65 v1(41.85,13.65) ; v1(53.11,23.31) 53.11,23.32 U4.W27 ; v1(55.5,24.93) 55.5,24.93 U4.T25 ; v1(55.5,25.73) 55.5,25.73 U4.T24 ; U4.AG20 v1(45.91,29.72) ; U4.AB25 v1(49.91,24.93) ; U4.AD26 v1(48.31,24.13)
  TOP w0.305: U4.H21 v1(61.89,28.13) 61.5,27.74 U4.H22 ; v1(54.52,8.75) 54.52,7.47 C36.1 ; v1(53.72,15.95) 53.72,16.67 C24.1 C10.1 ; v1(56.92,15.95) 56.92,17.47 C89.1 56.84,17.73 C231.1 ; v1(46.52,8.75) 46.52,7.87 C9.1 ; U4.G22 v1(61.89,27.31) 61.92,27.31 U4.G23 ; v1(50.84,18.76) 50.84,18.75 C213.1 C23.1 ; v1(56.92,8.75) 56.92,7.24 C39.1 ; U4.H20 v1(61.91,28.92) ; v1(46.52,15.95) 46.52,16.84 C22.1 C18.1 ; U4.L20 59.08,29.33 v1(58.69,28.93) U4.M20 ; v1(55.32,15.95) 55.32,17.07 C25.1 C11.1 ; v1(52.92,8.75) 52.92,7.24 C40.1 ; C17.1 C19.1 48.12,17.24 v1(48.12,15.95) ; U4.M21 v1(58.69,28.13) 58.71,28.13 U4.L21 ; C230.1 48.12,7.47 v1(48.12,8.75) ; U4.E24 v1(64.29,25.73)
  TOP w0.381: v1(58.52,15.95) 58.52,15.95 59.97,15.95 60.86,15.06 C49.1
  SIG_L10 w0.152: v1(31.4,11.47) 31.41,11.47 31.94,12 33.15,12 33.46,12.32 35.8,12.32 v1(36.44,11.68)
  BOTTOM w0.127: U11.G7 53.32,12.75 v1(53.72,12.35)
  BOTTOM w0.203: U11.E9 v1(55.32,15.95) U11.D9 ; U11.H2 v1(52.12,9.55) ; U2.K8 v1(51.32,9.55) ; U11.H9 v1(52.12,15.15) ; U11.B2 v1(57.72,10.35) ; U2.N9 v1(48.12,8.75) ; U11.A8 v1(57.72,15.15) ; U2.C9 v1(56.12,8.75) ; U11.D2 v1(55.32,9.55) ; v1(39.62,18.41) 39.49,18.28 U1.2 ; U2.R1 v1(46.52,15.95) ; U11.A1 v1(58.52,8.75) ; U11.F1 v1(54.52,8.75) ; U2.N1 v1(48.12,15.95) ; U2.R9 v1(46.52,8.75) ; U2.K2 v1(51.32,15.15) ; U2.C1 v1(56.92,15.95)
  BOTTOM w0.305: C39.1 56.92,7.24 v1(56.92,8.75) ; v1(52.92,8.75) 52.92,7.24 C40.1 ; v1(45.9,22.52) 45.8,22.43 45.8,20.57 ; C224.1 59.11,27.53 58.69,27.95 v1(58.69,28.13) ; C99.1 v1(50.84,18.76) ; v1(46.52,15.95) 46.52,16.84 C22.1 C18.1 45.8,20.57 ; v1(55.32,15.95) 55.32,17.07 C25.1 ; v1(50.52,7.95) 50.52,7.47 C143.1 ; C26.1 45.8,20.57 ; C36.1 54.52,7.47 v1(54.52,8.75) ; v1(48.12,8.75) 48.12,7.47 C230.1 ; C119.1 55.5,24.92 v1(55.5,24.93) ; C100.1 56.92,17.47 v1(56.92,15.95) ; C19.1 48.12,17.24 v1(48.12,15.95) ; v1(53.72,15.95) 53.72,16.67 C24.1 ; v1(46.52,8.75) 46.52,7.87 C9.1 ; v1(36.45,19.3) 36.45,20.07 36.09,20.42 R2.1 C462.1 ; v1(61.91,28.92) 61.95,28.88 61.95,28.19 v1(61.89,28.13)
  BOTTOM w0.381: C211.1 58.69,28.8 v1(58.69,28.13) ; 49.9,25.44 C131.1 50.13,25.43
  vias: v1(36.44,11.18) v1(36.44,10.67) v1(36.44,8.95) v1(36.44,8.45) v1(61.82,17.78) v1(66.93,17.81)
VDD_DIMM: length 6.3
  BOTTOM w0.305: 72.36,41.4 v1(72.36,40.89) ; 72.36,41.4 v1(72.36,41.91) ; 72.36,41.4 75.5,41.4 76.28,40.62 v1(76.28,39.57)
VDD_DSPEVE: length 25.5
  TOP w0.305: U4.K11 v1(60.3,36.93) 59.9,37.32 U4.K10 v1(59.5,36.93) ; U4.K11 v1(59.5,36.13) ; U4.K11 59.9,36.52 v1(60.3,36.13) U4.K12 ; U4.K11 v1(59.5,36.93) ; v1(58.7,36.93) U4.L10 59.1,37.32 v1(59.5,36.93) ; v1(58.7,36.93) 58.3,37.32 U4.M10 ; v1(58.7,36.93) U4.M11 58.7,36.13 v1(58.7,36.13) ; U4.K12 v1(59.5,36.13) ; U4.K12 60.3,35.33 v1(60.3,35.33) ; v1(59.5,36.13) 59.1,36.52 U4.L11 ; v1(59.5,36.13) U4.L12 ; v1(60.3,35.33) U4.J13 v1(61.1,35.33) ; v1(60.3,35.33) U4.K13 ; U4.L12 v1(58.7,36.13) ; U4.L12 v1(58.7,35.33) ; v1(58.7,36.13) U4.M12 58.3,35.72 v1(58.7,35.33) ; U4.M13 v1(58.7,35.33)
  TOP w0.381: U3.K2 v1(21.7,11.42)
  SIG_L10 w0.152: v1(14.53,10.74) 14.79,10.48 15,10.48 15.81,11.29 17.36,11.29 18.01,11.94 19.24,11.94 19.76,11.42 v1(21.7,11.42)
  BOTTOM w0.305: v1(21.7,11.42) 21.89,11.23 C256.1
  BOTTOM w0.381: v1(58.7,35.33) v1(58.7,36.13) 58.7,36.65 C215.1 ; v1(60.3,35.33) 60.3,35.87 C233.1 ; C234.1 61.23,35.2 v1(61.1,35.33)
  vias: v1(14.54,14.29) v1(14.54,13.75) v1(14.55,13.26) v1(14.53,12.27) v1(14.54,11.75) v1(14.53,11.23)
VDD_EMMC: length 12.2
  TOP w0.203: U7.C6 78.28,39.26 v1(78.4,39.14) ; U7.P5 77.78,33.6 v1(77.8,33.58) ; U4.K8 59.94,38.96 60.67,38.96 U4.J8 v1(61.1,39.32) ; U7.M4 U7.N4 U7.P3 76.58,33.87 v1(76.58,33.58) v1(76.58,33.1)
  TOP w0.381: v1(77.8,33.58) v1(77.8,33.07)
  BOTTOM w0.508: R179.1 R178.1 R186.1 R177.1 R185.1 R176.1 v1(72.39,47.47) v1(73.41,47.47)
  vias: v1(63.5,40.97) v1(75.41,31.24) v1(75.92,31.24) v1(76.43,31.24)
VDD_GPU: length 20.8
  TOP w0.305: U4.U12 v1(53.9,36.13) ; U4.U11 v1(53.9,36.93) ; U4.W11 v1(53.1,36.93) U4.V11 ; U4.W10 v1(52.3,37.73) ; v1(24.91,12.22) 25.31,11.83 U3.K6 ; U4.V10 v1(53.1,37.73) ; v1(53.9,33.78) 53.87,33.81 53.82,33.81 U4.V14 U4.W13
  SIG_L8 w0.127: v1(24.91,12.22) 24.49,11.8 24.49,9.37 24.03,8.92 18.92,8.92 18.01,8 v1(14.54,8)
  BOTTOM w0.305: C238.1 24.74,12.39 v1(24.91,12.22)
  BOTTOM w0.381: v1(53.9,33.78) 54.1,33.99 C171.1 54.1,34.75 54.03,34.82
  vias: v1(14.54,7.49) v1(14.54,6.98) v1(14.54,6.48)
VDD_IVA: length 11.1
  TOP w0.152: U3.L11 v1(28.91,10.63)
  TOP w0.305: U4.V19 53.51,30.13 v1(53.91,29.73) U4.U19 ; U4.U18 v1(53.91,30.53) 53.51,30.93 U4.V18
  SIG_L10 w0.152: v1(35.23,8.1) 35.23,8.31 33.86,9.68 32.87,9.68 32.32,10.23 29.31,10.23 v1(28.91,10.63)
  BOTTOM w0.381: v1(53.91,30.53) v1(53.91,29.73)
  vias: v1(35.23,7.65) v1(35.23,7.16)
VDD_MPU: length 28.1
  TOP w0.254: U3.B13 v1(32.26,18.22)